# KiCad board FrontEnd_5G.kicad_pcb (continued)
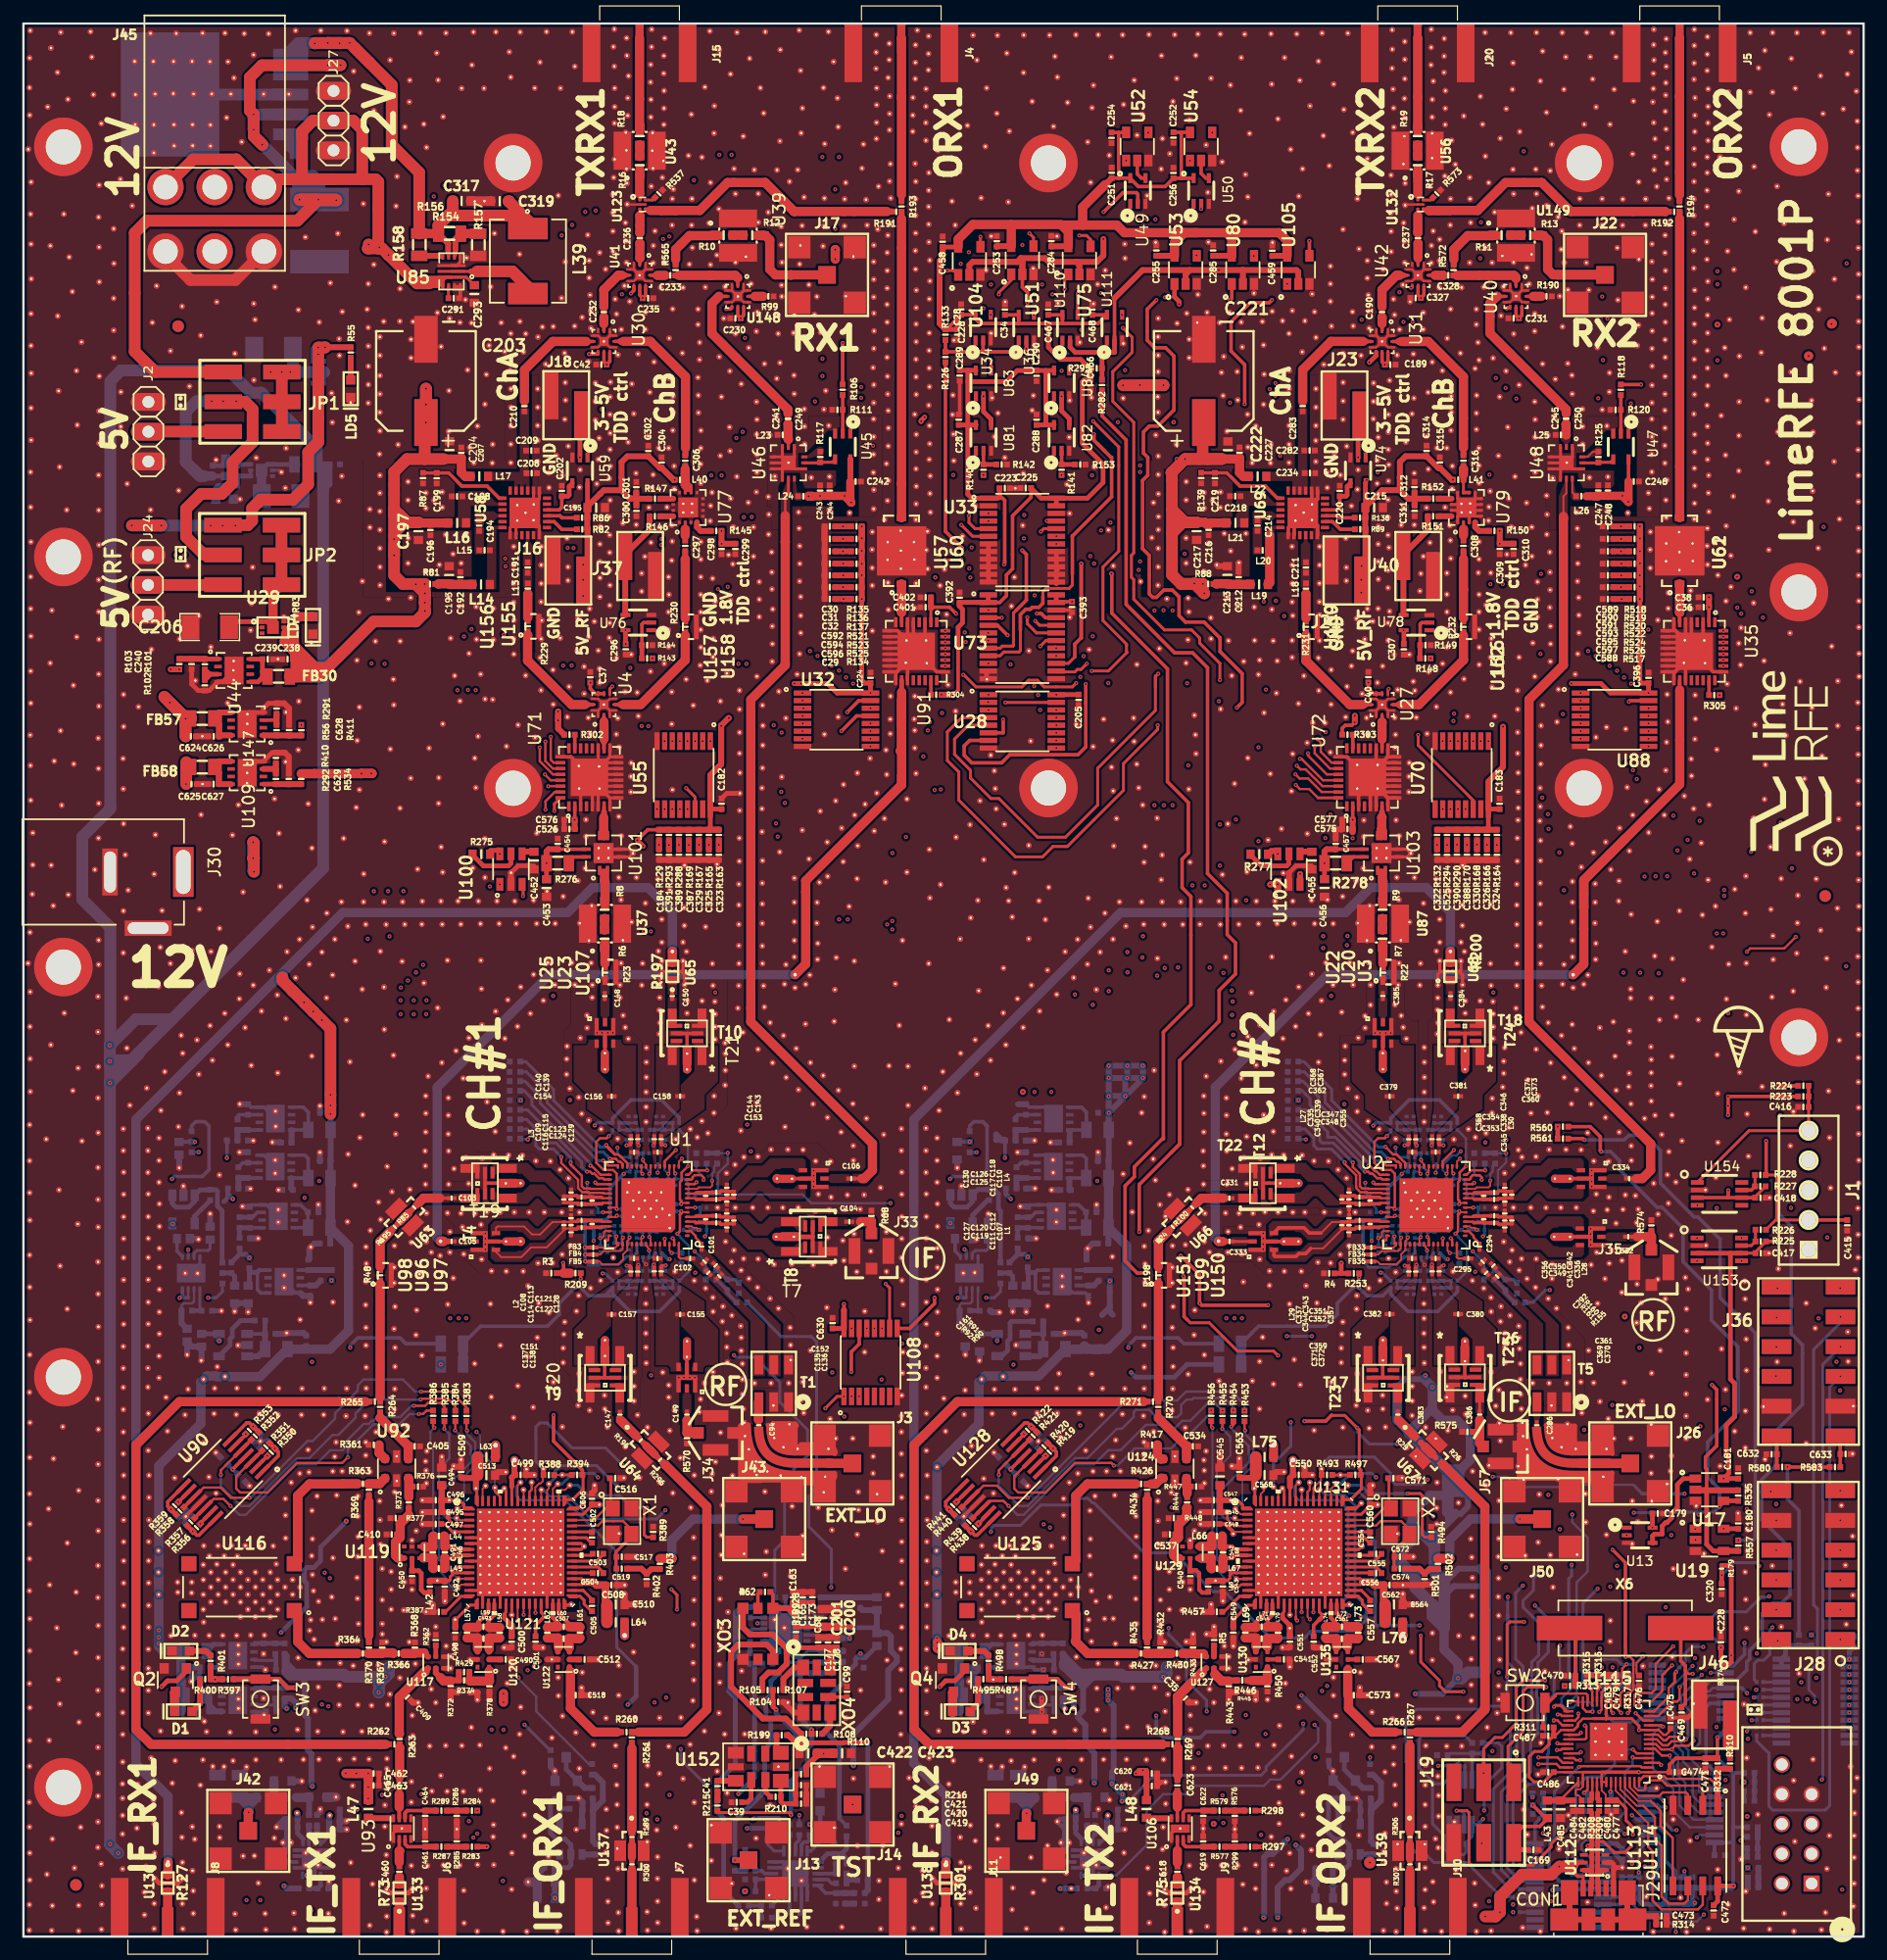
[diagram p0: board, top side]
## Placement (name value [footprint] x y rotation side) (continued)
Ref**#695  Val**  [VIA_600_400]  128.87 47.23 0 top
Ref**#696  Val**  [VIA_600_400]  130.28 47.23 0 top
Ref**#697  Val**  [VIA_600_400]  132.88 45.82 0 top
Ref**#698  Val**  [VIA_600_400]  131.79 47.23 0 top
Ref**#699  Val**  [VIA_600_400]  127.76 50.17 0 top
Ref**#700  Val**  [VIA_600_400]  127.74 51.11 0 top
Ref**#701  Val**  [VIA_600_400]  156.68 72.93 0 top
Ref**#702  Val**  [VIA_600_400]  107.8 79.94 0 top
Ref**#703  Val**  [VIA_600_400]  110.84 79.88 0 top
Ref**#704  Val**  [VIA_600_400]  108.9 81.04 0 top
Ref**#705  Val**  [VIA_600_400]  111.83 81.21 0 top
Ref**#706  Val**  [VIA_600_400]  113.54 81.22 0 top
Ref**#707  Val**  [VIA_600_400]  114.46 93.87 0 top
Ref**#708  Val**  [VIA_600_400]  118.47 92.46 0 top
Ref**#709  Val**  [VIA_600_400]  111.35 88.49 0 top
Ref**#710  Val**  [VIA_600_400]  107.05 86.44 0 top
Ref**#711  Val**  [VIA_600_400]  105.46 86.43 0 top
Ref**#712  Val**  [VIA_600_400]  108.51 86.45 0 top
Ref**#713  Val**  [VIA_600_400]  105.28 88.36 0 top
Ref**#714  Val**  [VIA_600_400]  111.22 83.11 0 top
Ref**#715  Val**  [VIA_600_400]  122.07 56.76 0 top
Ref**#716  Val**  [VIA_600_400]  123.73 55.98 0 top
Ref**#717  Val**  [VIA_600_400]  124.7 55.32 0 top
Ref**#718  Val**  [VIA_600_400]  125.31 54.53 0 top
Ref**#719  Val**  [VIA_600_400]  125.33 53.33 0 top
Ref**#720  Val**  [VIA_600_400]  126.13 52.49 0 top
Ref**#721  Val**  [VIA_600_400]  126.5 51.49 0 top
Ref**#722  Val**  [VIA_600_400]  126.5 50.3 0 top
Ref**#723  Val**  [VIA_600_400]  126.55 49.01 0 top
Ref**#724  Val**  [VIA_600_400]  125.32 48.18 0 top
Ref**#725  Val**  [VIA_600_400]  125.99 46.65 0 top
Ref**#726  Val**  [VIA_600_400]  125.72 45.28 0 top
Ref**#727  Val**  [VIA_600_400]  120.99 48.21 0 top
Ref**#728  Val**  [VIA_600_400]  121.57 46.95 0 top
Ref**#729  Val**  [VIA_600_400]  121.54 46.02 0 top
Ref**#730  Val**  [VIA_600_400]  123.09 50.81 0 top
Ref**#731  Val**  [VIA_600_400]  121.63 43.18 0 top
Ref**#732  Val**  [VIA_600_400]  132.99 47.33 0 top
Ref**#733  Val**  [VIA_600_400]  118.58 45.71 0 top
Ref**#734  Val**  [VIA_600_400]  114.79 44.91 0 top
Ref**#735  Val**  [VIA_600_400]  84.34 15 0 top
Ref**#736  Val**  [VIA_600_400]  126.4 59.3 0 top
Ref**#737  Val**  [VIA_600_400]  127.12 58.58 0 top
Ref**#738  Val**  [VIA_600_400]  127.93 57.85 0 top
Ref**#739  Val**  [VIA_600_400]  129.18 57.83 0 top
Ref**#740  Val**  [VIA_600_400]  130.54 57.36 0 top
Ref**#741  Val**  [VIA_600_400]  132.05 57.39 0 top
Ref**#742  Val**  [VIA_600_400]  133.87 57.33 0 top
Ref**#743  Val**  [VIA_600_400]  125.7 62.21 0 top
Ref**#744  Val**  [VIA_600_400]  127.23 62.21 0 top
Ref**#745  Val**  [VIA_600_400]  128.71 62.21 0 top
Ref**#746  Val**  [VIA_600_400]  130.01 62.2 0 top
Ref**#747  Val**  [VIA_600_400]  131.28 62.21 0 top
Ref**#748  Val**  [VIA_600_400]  132.6 62.21 0 top
Ref**#749  Val**  [VIA_600_400]  140.2 54.41 0 top
Ref**#750  Val**  [VIA_600_400]  130.71 59.72 0 top
Ref**#751  Val**  [VIA_600_400]  132.07 59.72 0 top
Ref**#752  Val**  [VIA_600_400]  134.31 63.36 0 top
Ref**#753  Val**  [VIA_600_400]  126.48 65.15 0 top
Ref**#754  Val**  [VIA_600_400]  127.21 65.87 0 top
Ref**#755  Val**  [VIA_600_400]  127.96 66.52 0 top
Ref**#756  Val**  [VIA_600_400]  129.16 66.56 0 top
Ref**#757  Val**  [VIA_600_400]  130.28 67.16 0 top
Ref**#758  Val**  [VIA_600_400]  131.72 67.16 0 top
Ref**#759  Val**  [VIA_600_400]  133.01 67.14 0 top
Ref**#760  Val**  [VIA_600_400]  123.98 68.21 0 top
Ref**#761  Val**  [VIA_600_400]  149.1 63.06 0 top
Ref**#762  Val**  [VIA_600_400]  122.15 68.03 0 top
Ref**#763  Val**  [VIA_600_400]  123.39 68.91 0 top
Ref**#764  Val**  [VIA_600_400]  124.37 69.6 0 top
Ref**#765  Val**  [VIA_600_400]  125.4 70.29 0 top
Ref**#766  Val**  [VIA_600_400]  119.61 69.53 0 top
Ref**#767  Val**  [VIA_600_400]  119.61 70.8 0 top
Ref**#768  Val**  [VIA_600_400]  119.62 72.07 0 top
Ref**#769  Val**  [VIA_600_400]  119.63 73.34 0 top
Ref**#770  Val**  [VIA_600_400]  119.63 74.62 0 top
Ref**#771  Val**  [VIA_600_400]  119.62 75.88 0 top
Ref**#772  Val**  [VIA_600_400]  123.09 74.01 0 top
Ref**#773  Val**  [VIA_600_400]  123.11 78.8 0 top
Ref**#774  Val**  [VIA_600_400]  123.12 79.85 0 top
Ref**#775  Val**  [VIA_600_400]  122.89 81.22 0 top
Ref**#776  Val**  [VIA_600_400]  120.74 77.03 0 top
Ref**#777  Val**  [VIA_600_400]  120.79 77.98 0 top
Ref**#778  Val**  [VIA_600_400]  118.09 76.62 0 top
Ref**#779  Val**  [VIA_600_400]  120.74 79.08 0 top
Ref**#780  Val**  [VIA_600_400]  120.77 80.11 0 top
Ref**#781  Val**  [VIA_600_400]  125.42 71.53 0 top
Ref**#782  Val**  [VIA_600_400]  126.32 72.5 0 top
Ref**#783  Val**  [VIA_600_400]  126.4 73.67 0 top
Ref**#784  Val**  [VIA_600_400]  126.4 74.7 0 top
Ref**#785  Val**  [VIA_600_400]  126.48 75.85 0 top
Ref**#786  Val**  [VIA_600_400]  125.49 76.64 0 top
Ref**#787  Val**  [VIA_600_400]  125.51 77.63 0 top
Ref**#788  Val**  [VIA_600_400]  125.51 78.75 0 top
Ref**#789  Val**  [VIA_600_400]  125.48 79.79 0 top
Ref**#790  Val**  [VIA_600_400]  117.18 68.08 0 top
Ref**#791  Val**  [VIA_600_400]  115.76 68.9 0 top
Ref**#792  Val**  [VIA_600_400]  114.82 69.57 0 top
Ref**#793  Val**  [VIA_600_400]  113.89 70.41 0 top
Ref**#794  Val**  [VIA_600_400]  113.86 71.62 0 top
Ref**#795  Val**  [VIA_600_400]  113.09 72.36 0 top
Ref**#796  Val**  [VIA_600_400]  112.82 73.58 0 top
Ref**#797  Val**  [VIA_600_400]  112.82 74.78 0 top
Ref**#798  Val**  [VIA_600_400]  112.86 75.98 0 top
Ref**#799  Val**  [VIA_600_400]  113.99 76.69 0 top
Ref**#800  Val**  [VIA_600_400#7]  116.62 74.02 0 top
Ref**#801  Val**  [VIA_600_400#7]  116.61 75.39 0 top
Ref**#802  Val**  [VIA_600_400]  109.53 55.54 0 top
Ref**#803  Val**  [VIA_600_400]  104.04 58.24 0 top
Ref**#804  Val**  [VIA_600_400]  105.57 57.79 0 top
Ref**#805  Val**  [VIA_600_400]  119.01 62.11 0 top
Ref**#806  Val**  [VIA_600_400]  120.01 62.11 0 top
Ref**#807  Val**  [VIA_600_400]  121.02 62.11 0 top
Ref**#808  Val**  [VIA_600_400]  118.51 62.81 0 top
Ref**#809  Val**  [VIA_600_400]  119.52 62.81 0 top
Ref**#810  Val**  [VIA_600_400]  120.51 62.81 0 top
Ref**#811  Val**  [VIA_600_400]  118.51 61.41 0 top
Ref**#812  Val**  [VIA_600_400]  119.52 61.41 0 top
Ref**#813  Val**  [VIA_600_400]  120.52 61.41 0 top
Ref**#814  Val**  [VIA_600_400]  121.62 61.41 0 top
Ref**#815  Val**  [VIA_600_400]  121.64 60.45 0 top
Ref**#816  Val**  [VIA_600_400]  118.01 63.51 0 top
Ref**#817  Val**  [VIA_600_400]  119.01 63.51 0 top
Ref**#818  Val**  [VIA_600_400]  120.01 63.51 0 top
Ref**#819  Val**  [VIA_600_400]  120.91 63.51 0 top
Ref**#820  Val**  [VIA_600_400]  117.9 64.33 0 top
Ref**#821  Val**  [VIA_600_400]  135.37 66.15 0 top
Ref**#822  Val**  [VIA_600_400]  134.09 66.18 0 top
Ref**#823  Val**  [VIA_600_400]  134.06 61.91 0 top
Ref**#824  Val**  [VIA_600_400]  135.24 62.02 0 top
Ref**#825  Val**  [VIA_600_400]  134.34 58.39 0 top
Ref**#826  Val**  [VIA_600_400]  118.58 46.96 0 top
Ref**#827  Val**  [VIA_600_400]  86.03 6.75 0 top
Ref**#828  Val**  [VIA_600_400]  87.45 7.76 0 top
Ref**#829  Val**  [VIA_600_400]  83.19 8.34 90 top
Ref**#830  Val**  [VIA_600_400]  83.19 9.48 90 top
Ref**#831  Val**  [VIA_600_400]  82.81 21.93 0 top
Ref**#832  Val**  [VIA_600_400]  86.66 42.27 225 top
Ref**#833  Val**  [VIA_600_400]  80.31 35.86 225 top
Ref**#834  Val**  [VIA_600_400]  130.77 64.68 0 top
Ref**#835  Val**  [VIA_600_400]  132.06 64.67 0 top
Ref**#836  Val**  [VIA_600_400]  114.56 78.57 0 top
Ref**#837  Val**  [VIA_600_400]  115.03 79.5 0 top
Ref**#838  Val**  [VIA_600_400#7]  117.65 79.52 0 top
Ref**#839  Val**  [VIA_600_400]  114.57 77.54 0 top
Ref**#840  Val**  [VIA_600_400#7]  118.35 77.59 0 top
Ref**#841  Val**  [VIA_600_400]  124.39 79.85 0 top
Ref**#842  Val**  [VIA_600_400]  137.3 66.23 0 top
Ref**#843  Val**  [VIA_600_400]  135.39 63.1 0 top
Ref**#844  Val**  [VIA_600_400]  136.79 63.29 0 top
Ref**#845  Val**  [VIA_600_400]  142.77 103.92 0 top
Ref**#846  Val**  [VIA_600_400]  137.65 63.23 0 top
Ref**#847  Val**  [VIA_600_400]  135.61 58.56 0 top
Ref**#848  Val**  [VIA_600_400]  137.75 60.92 0 top
Ref**#849  Val**  [VIA_600_400]  136.59 62.05 0 top
Ref**#850  Val**  [VIA_600_400]  137.89 62.07 0 top
Ref**#851  Val**  [VIA_600_400]  136.49 54.97 0 top
Ref**#852  Val**  [VIA_600_400]  118.57 44.46 0 top
Ref**#853  Val**  [VIA_600_400]  126.03 43.81 0 top
Ref**#854  Val**  [VIA_600_400]  126.11 42.31 0 top
Ref**#855  Val**  [VIA_600_400]  137.26 42.51 0 top
Ref**#856  Val**  [VIA_600_400]  141.98 47.94 0 top
Ref**#857  Val**  [VIA_600_400]  138.13 54.08 0 top
Ref**#858  Val**  [VIA_600_400]  116.06 46.19 0 top
Ref**#859  Val**  [VIA_600_400]  116.3 43.48 0 top
Ref**#860  Val**  [VIA_600_400]  120.78 81.19 0 top
Ref**#861  Val**  [VIA_600_400]  126.02 25.44 0 top
Ref**#862  Val**  [VIA_600_400]  141.79 108.7 0 top
Ref**#863  Val**  [VIA_600_400]  143.59 108.68 0 top
Ref**#864  Val**  [VIA_600_400]  143.53 110.61 0 top
Ref**#865  Val**  [VIA_600_400]  141.87 110.63 0 top
Ref**#866  Val**  [VIA_600_400]  97.54 11.33 270 top
Ref**#867  Val**  [VIA_600_400]  94.14 12.95 270 top
Ref**#868  Val**  [VIA_600_400#8]  98.78 11.22 0 top
Ref**#869  Val**  [VIA_600_400#8]  100.74 11.22 0 top
Ref**#870  Val**  [VIA_600_400#8]  103.44 11.16 0 top
Ref**#871  Val**  [VIA_600_400]  82.08 17.49 0 top
Ref**#872  Val**  [VIA_600_400]  84.08 17.48 0 top
Ref**#873  Val**  [VIA_600_400]  88.44 15.09 0 top
Ref**#874  Val**  [VIA_600_400]  86.29 15.09 0 top
Ref**#875  Val**  [VIA_600_400]  90.35 15.11 0 top
Ref**#876  Val**  [VIA_600_400]  92.24 15.11 0 top
Ref**#877  Val**  [VIA_600_400]  94.25 17.88 0 top
Ref**#878  Val**  [VIA_600_400]  86.28 17.47 0 top
Ref**#879  Val**  [VIA_600_400]  79.4 15.01 0 top
Ref**#880  Val**  [VIA_600_400]  89.81 17.63 0 top
Ref**#881  Val**  [VIA_600_400]  91.68 19.34 0 top
Ref**#882  Val**  [VIA_600_400]  94.19 15.12 0 top
Ref**#883  Val**  [VIA_600_400]  97.5 17.77 0 top
Ref**#884  Val**  [VIA_600_400]  95.89 15.09 0 top
Ref**#885  Val**  [VIA_600_400]  94.71 21.22 0 top
Ref**#886  Val**  [VIA_600_400]  96.62 21.25 0 top
Ref**#887  Val**  [VIA_600_400]  92.3 17.62 0 top
Ref**#888  Val**  [VIA_600_400]  103.88 16.3 0 top
Ref**#889  Val**  [VIA_600_400]  102.5 16.31 0 top
Ref**#890  Val**  [VIA_600_400]  102.64 14.4 0 top
Ref**#891  Val**  [VIA_600_400]  104.02 14.39 0 top
Ref**#892  Val**  [VIA_600_400]  101.27 14.36 0 top
Ref**#893  Val**  [VIA_600_400]  99.89 14.37 0 top
Ref**#894  Val**  [VIA_600_400]  105.41 16.35 0 top
Ref**#895  Val**  [VIA_600_400]  106.79 16.34 0 top
Ref**#896  Val**  [VIA_600_400]  106.82 14.04 0 top
Ref**#897  Val**  [VIA_600_400]  105.41 14.41 0 top
Ref**#898  Val**  [VIA_600_400]  106.6 6.11 0 top
Ref**#899  Val**  [VIA_600_400]  105.22 6.12 0 top
Ref**#900  Val**  [VIA_600_400]  102.31 6.08 0 top
Ref**#901  Val**  [VIA_600_400]  103.69 6.07 0 top
Ref**#902  Val**  [VIA_600_400]  100.94 6.04 0 top
Ref**#903  Val**  [VIA_600_400]  99.56 6.05 0 top
Ref**#904  Val**  [VIA_600_400]  106.55 8.51 0 top
Ref**#905  Val**  [VIA_600_400]  97.51 13.18 0 top
Ref**#906  Val**  [VIA_600_400]  97.36 15.11 0 top
Ref**#907  Val**  [VIA_600_400#8]  97.32 11.34 0 top
Ref**#908  Val**  [VIA_600_400]  96.04 17.91 0 top
Ref**#909  Val**  [VIA_600_400]  99.65 17.64 0 top
Ref**#910  Val**  [VIA_600_400]  99.64 18.88 0 top
Ref**#911  Val**  [VIA_600_400#8]  97.27 9.44 0 top
Ref**#912  Val**  [VIA_600_400]  97.45 2.68 0 top
Ref**#913  Val**  [VIA_600_400]  97.46 4.02 0 top
Ref**#914  Val**  [VIA_600_400]  97.43 5.41 0 top
Ref**#915  Val**  [VIA_600_400]  99.68 4.08 0 top
Ref**#916  Val**  [VIA_600_400]  99.67 2.74 0 top
Ref**#917  Val**  [VIA_600_400]  107.23 9.63 0 top
Ref**#918  Val**  [VIA_600_400]  107.22 11.4 0 top
Ref**#919  Val**  [VIA_600_400]  107.21 12.79 0 top
Ref**#920  Val**  [VIA_600_400]  109.22 10.4 0 top
Ref**#921  Val**  [VIA_600_400]  109.21 12.33 0 top
Ref**#922  Val**  [VIA_600_400]  109.23 8.58 0 top
Ref**#923  Val**  [VIA_600_400]  109.18 14.01 0 top
Ref**#924  Val**  [VIA_600_400]  108.28 15.38 0 top
Ref**#925  Val**  [VIA_600_400]  108.13 7.12 0 top
Ref**#926  Val**  [VIA_600_400]  117.23 3.86 0 top
Ref**#927  Val**  [VIA_600_400]  117.22 5.79 0 top
Ref**#928  Val**  [VIA_600_400]  117.3 2.42 0 top
Ref**#929  Val**  [VIA_600_400]  119.69 5.87 0 top
Ref**#930  Val**  [VIA_600_400]  119.69 4 0 top
Ref**#931  Val**  [VIA_600_400]  119.61 2.45 0 top
Ref**#932  Val**  [VIA_600_400]  117.47 83.07 0 top
Ref**#933  Val**  [VIA_600_400]  117.62 85.03 0 top
Ref**#934  Val**  [VIA_600_400]  118.35 86.58 0 top
Ref**#935  Val**  [VIA_600_400]  117.46 88.48 0 top
Ref**#936  Val**  [VIA_600_400]  118.78 90.38 0 top
Ref**#937  Val**  [VIA_600_400]  119.55 88.18 0 top
Ref**#938  Val**  [VIA_600_400]  131.43 81.28 0 top
Ref**#939  Val**  [VIA_600_400]  120.94 86.81 0 top
Ref**#940  Val**  [VIA_600_400]  121.76 89.21 0 top
Ref**#941  Val**  [VIA_600_400]  117.49 93.93 0 top
Ref**#942  Val**  [VIA_600_400]  114.91 83.09 0 top
Ref**#943  Val**  [VIA_600_400]  113.95 86.49 0 top
Ref**#944  Val**  [VIA_600_400]  115.03 81.21 0 top
Ref**#945  Val**  [VIA_600_400]  117.39 81.21 0 top
Ref**#946  Val**  [VIA_600_400]  114.96 87.96 0 top
Ref**#947  Val**  [VIA_600_400]  91.64 62.46 0 top
Ref**#948  Val**  [VIA_600_400]  86.48 59.58 0 top
Ref**#949  Val**  [VIA_600_400]  85.12 62.31 0 top
Ref**#950  Val**  [VIA_600_400]  82.39 61.69 0 top
Ref**#951  Val**  [VIA_600_400]  80.1 64.05 0 top
Ref**#952  Val**  [VIA_600_400]  91.76 66.93 0 top
Ref**#953  Val**  [VIA_600_400]  86.34 67.94 0 top
Ref**#954  Val**  [VIA_600_400]  87.7 67.77 0 top
Ref**#955  Val**  [VIA_600_400]  86.38 63.85 0 top
Ref**#956  Val**  [VIA_600_400]  81.39 59.5 0 top
Ref**#957  Val**  [VIA_600_400]  87.79 63.71 0 top
Ref**#958  Val**  [VIA_600_400]  84.89 66.93 0 top
Ref**#959  Val**  [VIA_600_400]  88.24 46.78 0 top
Ref**#960  Val**  [VIA_600_400]  86.59 46.78 0 top
Ref**#961  Val**  [VIA_600_400]  84.67 46.7 0 top
Ref**#962  Val**  [VIA_600_400]  82.91 46.7 0 top
Ref**#963  Val**  [VIA_600_400]  82.72 44.63 0 top
Ref**#964  Val**  [VIA_600_400]  84.62 44.64 0 top
Ref**#965  Val**  [VIA_600_400]  86.56 44.69 0 top
Ref**#966  Val**  [VIA_600_400]  88.28 44.66 0 top
Ref**#967  Val**  [VIA_600_400]  95.64 44.43 0 top
Ref**#968  Val**  [VIA_600_400]  93.84 44.58 0 top
Ref**#969  Val**  [VIA_600_400]  92.08 44.54 0 top
Ref**#970  Val**  [VIA_600_400]  90.15 44.68 0 top
Ref**#971  Val**  [VIA_600_400]  78.74 43.12 0 top
Ref**#972  Val**  [VIA_600_400]  80.33 44.56 0 top
Ref**#973  Val**  [VIA_600_400]  78.6 45.92 0 top
Ref**#974  Val**  [VIA_600_400]  80.41 46.63 0 top
Ref**#975  Val**  [VIA_600_400]  95.69 50.45 0 top
Ref**#976  Val**  [VIA_600_400]  95.71 48.58 0 top
Ref**#977  Val**  [VIA_600_400]  95.72 53.91 0 top
Ref**#978  Val**  [VIA_600_400]  95.72 52.05 0 top
Ref**#979  Val**  [VIA_600_400]  98.17 50.26 0 top
Ref**#980  Val**  [VIA_600_400]  98.14 46.75 0 top
Ref**#981  Val**  [VIA_600_400]  98.17 48.64 0 top
Ref**#982  Val**  [VIA_600_400]  98.07 44.89 0 top
Ref**#983  Val**  [VIA_600_400]  98.17 53.76 0 top
Ref**#984  Val**  [VIA_600_400]  98.1 51.97 0 top
Ref**#985  Val**  [VIA_600_400]  96.06 60.25 0 top
Ref**#986  Val**  [VIA_600_400]  97.04 62.46 0 top
Ref**#987  Val**  [VIA_600_400]  95.77 55.87 0 top
Ref**#988  Val**  [VIA_600_400]  95.71 58.91 0 top
Ref**#989  Val**  [VIA_600_400]  98.09 57.11 0 top
Ref**#990  Val**  [VIA_600_400]  98.09 55.78 0 top
Ref**#991  Val**  [VIA_600_400]  97.52 61.47 0 top
Ref**#992  Val**  [VIA_600_400]  98.12 58.95 0 top
Ref**#993  Val**  [VIA_600_400]  99.23 59.04 0 top
Ref**#994  Val**  [VIA_600_400]  100.76 65.77 0 top
Ref**#995  Val**  [VIA_600_400]  99.44 63.75 0 top
Ref**#996  Val**  [VIA_600_400]  126.06 23.62 0 top
Ref**#997  Val**  [VIA_600_400]  123.63 23.67 0 top
Ref**#998  Val**  [VIA_600_400]  121.53 16.24 0 top
Ref**#999  Val**  [VIA_600_400]  125.96 21.4 0 top
Ref**#1000  Val**  [VIA_600_400]  122.53 18.7 0 top
Ref**#1001  Val**  [VIA_600_400]  120.78 18.63 0 top
Ref**#1002  Val**  [VIA_600_400]  119.75 16.29 0 top
Ref**#1003  Val**  [VIA_600_400]  115.15 19.14 0 top
Ref**#1004  Val**  [VIA_600_400]  113.46 17.24 0 top
Ref**#1005  Val**  [VIA_600_400]  115.13 16.19 0 top
Ref**#1006  Val**  [VIA_600_400]  112.08 18.81 0 top
Ref**#1007  Val**  [VIA_600_400]  119.7 12.93 0 top
Ref**#1008  Val**  [VIA_600_400]  117.11 12.94 0 top
Ref**#1009  Val**  [VIA_600_400]  119.67 7.88 0 top
Ref**#1010  Val**  [VIA_600_400]  117.34 7.89 0 top
Ref**#1011  Val**  [VIA_600_400]  117.14 11.26 0 top
Ref**#1012  Val**  [VIA_600_400]  117.15 9.33 0 top
Ref**#1013  Val**  [VIA_600_400]  119.69 9.39 0 top
Ref**#1014  Val**  [VIA_600_400]  119.69 11.26 0 top
Ref**#1015  Val**  [VIA_600_400]  122.82 16.25 0 top
Ref**#1016  Val**  [VIA_600_400]  124.99 17.86 0 top
Ref**#1017  Val**  [VIA_600_400]  125.84 19.08 0 top
Ref**#1018  Val**  [VIA_600_400]  117 14.69 0 top
Ref**#1019  Val**  [VIA_600_400]  119.74 14.65 0 top
Ref**#1020  Val**  [VIA_600_400]  117.01 16.16 0 top
Ref**#1021  Val**  [VIA_600_400]  123.63 21.48 0 top
Ref**#1022  Val**  [VIA_600_400]  123.62 20.13 0 top
Ref**#1023  Val**  [VIA_600_400]  118.88 40.98 0 top
Ref**#1024  Val**  [VIA_600_400]  118.12 41.73 0 top
Ref**#1025  Val**  [VIA_600_400]  119.73 43.46 0 top
Ref**#1026  Val**  [VIA_600_400]  122.54 40.85 0 top
Ref**#1027  Val**  [VIA_600_400]  127.64 40.14 0 top
Ref**#1028  Val**  [VIA_600_400]  133.65 50.02 0 top
Ref**#1029  Val**  [VIA_600_400]  139.76 50.02 0 top
Ref**#1030  Val**  [VIA_600_400]  141.98 46.31 0 top
Ref**#1031  Val**  [VIA_600_400]  125.97 27.39 0 top
Ref**#1032  Val**  [VIA_600_400]  125.94 29 0 top
Ref**#1033  Val**  [VIA_600_400]  125.96 30.58 0 top
Ref**#1034  Val**  [VIA_600_400]  123.73 30.62 0 top
Ref**#1035  Val**  [VIA_600_400]  123.71 29.04 0 top
Ref**#1036  Val**  [VIA_600_400]  123.67 27.4 0 top
Ref**#1037  Val**  [VIA_600_400]  123.79 25.48 0 top
Ref**#1038  Val**  [VIA_600_400]  123.59 33.94 0 top
Ref**#1039  Val**  [VIA_600_400]  123.67 32.37 0 top
Ref**#1040  Val**  [VIA_600_400]  122.54 37.02 0 top
Ref**#1041  Val**  [VIA_600_400]  99.96 51.34 0 top
Ref**#1042  Val**  [VIA_600_400]  126 37.2 0 top
Ref**#1043  Val**  [VIA_600_400]  125.94 32.42 0 top
Ref**#1044  Val**  [VIA_600_400]  125.98 33.97 0 top
Ref**#1045  Val**  [VIA_600_400]  124.91 38.51 0 top
Ref**#1046  Val**  [VIA_600_400]  100.89 61.71 0 top
Ref**#1047  Val**  [VIA_600_400]  107.64 59.32 0 top
Ref**#1048  Val**  [VIA_600_400]  95.78 57.4 0 top
Ref**#1049  Val**  [VIA_600_400#10]  121.85 84.07 0 top
Ref**#1050  Val**  [VIA_600_400]  120.94 84.85 0 top
Ref**#1051  Val**  [VIA_600_400]  122.75 84.86 0 top
Ref**#1052  Val**  [VIA_600_400]  120.65 84.1 0 top
Ref**#1053  Val**  [VIA_600_400]  123.05 84.06 0 top
Ref**#1054  Val**  [VIA_600_400]  120.94 83.27 0 top
Ref**#1055  Val**  [VIA_600_400]  122.75 83.25 0 top
Ref**#1056  Val**  [VIA_600_400]  114.72 85.01 0 top
Ref**#1057  Val**  [VIA_600_400]  119.3 83.05 0 top
Ref**#1058  Val**  [VIA_600_400]  112.65 88.76 0 top
Ref**#1059  Val**  [VIA_600_400]  109.99 88.44 0 top
Ref**#1060  Val**  [VIA_600_400]  111.84 86.44 0 top
Ref**#1061  Val**  [VIA_600_400]  108.39 88.36 0 top
Ref**#1062  Val**  [VIA_600_400]  106.87 88.37 0 top
Ref**#1063  Val**  [VIA_600_400]  117.27 90.38 0 top
Ref**#1064  Val**  [VIA_600_400]  113.79 90.1 0 top
Ref**#1065  Val**  [VIA_600_400]  120.62 90.26 0 top
Ref**#1066  Val**  [VIA_600_400]  93.04 85.11 0 top
Ref**#1067  Val**  [VIA_600_400]  78.19 70.5 0 top
Ref**#1068  Val**  [VIA_600_400]  79.76 72.01 0 top
Ref**#1069  Val**  [VIA_600_400]  81.41 73.6 0 top
Ref**#1070  Val**  [VIA_600_400#10]  78.79 6.35 0 top
Ref**#1071  Val**  [VIA_600_400]  75 39.36 0 top
Ref**#1072  Val**  [VIA_600_400]  75 37.47 0 top
Ref**#1073  Val**  [VIA_600_400]  75 33.69 0 top
Ref**#1074  Val**  [VIA_600_400]  75 35.55 0 top
Ref**#1075  Val**  [VIA_600_400]  75 28.25 0 top
Ref**#1076  Val**  [VIA_600_400]  75 26.39 0 top
Ref**#1077  Val**  [VIA_600_400]  75 30.17 0 top
Ref**#1078  Val**  [VIA_600_400]  75 32.06 0 top
Ref**#1079  Val**  [VIA_600_400]  74.97 41.2 0 top
Ref**#1080  Val**  [VIA_600_400]  74.97 43.06 0 top
Ref**#1081  Val**  [VIA_600_400]  77.12 22.89 0 top
Ref**#1082  Val**  [VIA_600_400]  77.12 21 0 top
Ref**#1083  Val**  [VIA_600_400]  77.34 15.24 0 top
Ref**#1084  Val**  [VIA_600_400]  77.12 19.08 0 top
Ref**#1085  Val**  [VIA_600_400]  77.12 24.52 0 top
Ref**#1086  Val**  [VIA_600_400]  77.1 63.37 0 top
Ref**#1087  Val**  [VIA_600_400]  78.51 73.81 0 top
Ref**#1088  Val**  [VIA_600_400]  77.07 68.99 0 top
Ref**#1089  Val**  [VIA_600_400]  77.07 65.21 0 top
Ref**#1090  Val**  [VIA_600_400]  77.07 67.07 0 top
Ref**#1091  Val**  [VIA_600_400]  76.98 72.41 0 top
Ref**#1092  Val**  [VIA_600_400]  77.07 48.52 0 top
Ref**#1093  Val**  [VIA_600_400]  77.07 50.38 0 top
Ref**#1094  Val**  [VIA_600_400]  77.11 44.64 0 top
Ref**#1095  Val**  [VIA_600_400]  77.07 46.89 0 top
Ref**#1096  Val**  [VIA_600_400]  77.1 59.58 0 top
Ref**#1097  Val**  [VIA_600_400]  77.1 61.44 0 top
Ref**#1098  Val**  [VIA_600_400]  77.1 54.14 0 top
Ref**#1099  Val**  [VIA_600_400]  77.1 52.28 0 top
Ref**#1100  Val**  [VIA_600_400]  77.1 56.06 0 top
Ref**#1101  Val**  [VIA_600_400]  77.1 57.95 0 top
Ref**#1102  Val**  [VIA_600_400]  77.1 41.47 0 top
Ref**#1103  Val**  [VIA_600_400]  77.17 35.55 0 top
Ref**#1104  Val**  [VIA_600_400]  77.17 37.47 0 top
Ref**#1105  Val**  [VIA_600_400]  77.17 39.36 0 top
Ref**#1106  Val**  [VIA_600_400]  77.14 32.07 0 top
Ref**#1107  Val**  [VIA_600_400]  77.14 30.18 0 top
Ref**#1108  Val**  [VIA_600_400]  77.14 26.4 0 top
Ref**#1109  Val**  [VIA_600_400]  77.14 28.26 0 top
Ref**#1110  Val**  [VIA_600_400]  77.14 33.7 0 top
Ref**#1111  Val**  [VIA_600_400]  74.94 22.79 0 top
Ref**#1112  Val**  [VIA_600_400]  74.96 21.03 0 top
Ref**#1113  Val**  [VIA_600_400]  74.92 17.25 0 top
Ref**#1114  Val**  [VIA_600_400]  74.92 19.11 0 top
Ref**#1115  Val**  [VIA_600_400]  74.92 24.55 0 top
Ref**#1116  Val**  [VIA_600_400]  75.04 15.85 0 top
Ref**#1117  Val**  [VIA_600_400]  79.02 13.01 0 top
Ref**#1118  Val**  [VIA_600_400]  77.54 11.64 0 top
Ref**#1119  Val**  [VIA_600_400]  78.15 17.55 0 top
Ref**#1120  Val**  [VIA_600_400]  80.28 17.49 0 top
Ref**#1121  Val**  [VIA_600_400]  81.77 15.08 0 top
Ref**#1122  Val**  [VIA_600_400]  79.95 10.58 0 top
Ref**#1123  Val**  [VIA_600_400]  77.58 9.44 0 top
Ref**#1124  Val**  [VIA_600_400]  80.04 6.33 0 top
Ref**#1125  Val**  [VIA_600_400]  80 8.47 0 top
Ref**#1126  Val**  [VIA_600_400]  77.62 4.96 0 top
Ref**#1127  Val**  [VIA_600_400]  77.59 7.17 0 top
Ref**#1128  Val**  [VIA_600_400]  84.43 2.3 0 top
Ref**#1129  Val**  [VIA_600_400]  137.27 71.06 0 top
Ref**#1130  Val**  [VIA_600_400]  139 71.3 0 top
Ref**#1131  Val**  [VIA_600_400]  138.98 72.61 0 top
Ref**#1132  Val**  [VIA_600_400]  139 74.84 0 top
Ref**#1133  Val**  [VIA_600_400]  139 73.72 0 top
Ref**#1134  Val**  [VIA_600_400]  138.97 75.94 0 top
Ref**#1135  Val**  [VIA_600_400]  139.71 78.23 0 top
Ref**#1136  Val**  [VIA_600_400]  137.14 76.29 0 top
Ref**#1137  Val**  [VIA_600_400]  137.14 77.3 0 top
Ref**#1138  Val**  [VIA_600_400]  137.24 80.09 0 top
Ref**#1139  Val**  [VIA_600_400]  137.24 80.86 0 top
Ref**#1140  Val**  [VIA_600_400]  131.55 82.96 0 top
Ref**#1141  Val**  [VIA_600_400]  125.27 83.03 0 top
Ref**#1142  Val**  [VIA_600_400]  133.24 81.27 0 top
Ref**#1143  Val**  [VIA_600_400]  139 80.09 0 top
Ref**#1144  Val**  [VIA_600_400]  139.3 83.68 0 top
Ref**#1145  Val**  [VIA_600_400]  134.19 86.49 0 top
Ref**#1146  Val**  [VIA_600_400]  129.52 89.9 0 top
Ref**#1147  Val**  [VIA_600_400]  127.52 89.81 0 top
Ref**#1148  Val**  [VIA_600_400]  137.12 73.68 0 top
Ref**#1149  Val**  [VIA_600_400]  137.08 72.53 0 top
Ref**#1150  Val**  [VIA_600_400]  137.29 67.48 0 top
Ref**#1151  Val**  [VIA_600_400]  138.43 69.82 0 top
Ref**#1152  Val**  [VIA_600_400]  128.46 73.11 0 top
Ref**#1153  Val**  [VIA_600_400]  140.51 66.98 0 top
Ref**#1154  Val**  [VIA_600_400]  139.21 64.28 0 top
Ref**#1155  Val**  [VIA_600_400]  140.38 65.01 0 top
Ref**#1156  Val**  [VIA_600_400]  141.42 72.79 0 top
Ref**#1157  Val**  [VIA_600_400]  141.62 67.91 0 top
Ref**#1158  Val**  [VIA_600_400]  139.32 70.09 0 top
Ref**#1159  Val**  [VIA_600_400]  146.25 104.82 0 top
Ref**#1160  Val**  [VIA_600_400]  134.27 84.76 0 top
Ref**#1161  Val**  [VIA_600_400]  140.47 62.58 0 top
Ref**#1162  Val**  [VIA_600_400]  141.1 64.38 0 top
Ref**#1163  Val**  [VIA_600_400]  139.58 61.65 0 top
Ref**#1164  Val**  [VIA_600_400]  139.56 56.09 0 top
Ref**#1165  Val**  [VIA_600_400]  137.79 55.68 0 top
Ref**#1166  Val**  [VIA_600_400]  136.5 57.69 0 top
Ref**#1167  Val**  [VIA_600_400]  140.71 59.84 0 top
Ref**#1168  Val**  [VIA_600_400]  142.36 114.87 0 top
Ref**#1169  Val**  [VIA_600_400]  142.37 113.32 0 top
Ref**#1170  Val**  [VIA_600_400]  143.02 78.24 0 top
Ref**#1171  Val**  [VIA_600_400]  151.12 80.68 0 top
Ref**#1172  Val**  [VIA_600_400]  141.74 81.66 0 top
Ref**#1173  Val**  [VIA_600_400]  141.12 78.51 0 top
Ref**#1174  Val**  [VIA_600_400]  140.45 113.35 0 top
Ref**#1175  Val**  [VIA_600_400]  140.46 114.68 0 top